# KiCad board Galatea Keyboard PCB.kicad_pcb (continued)
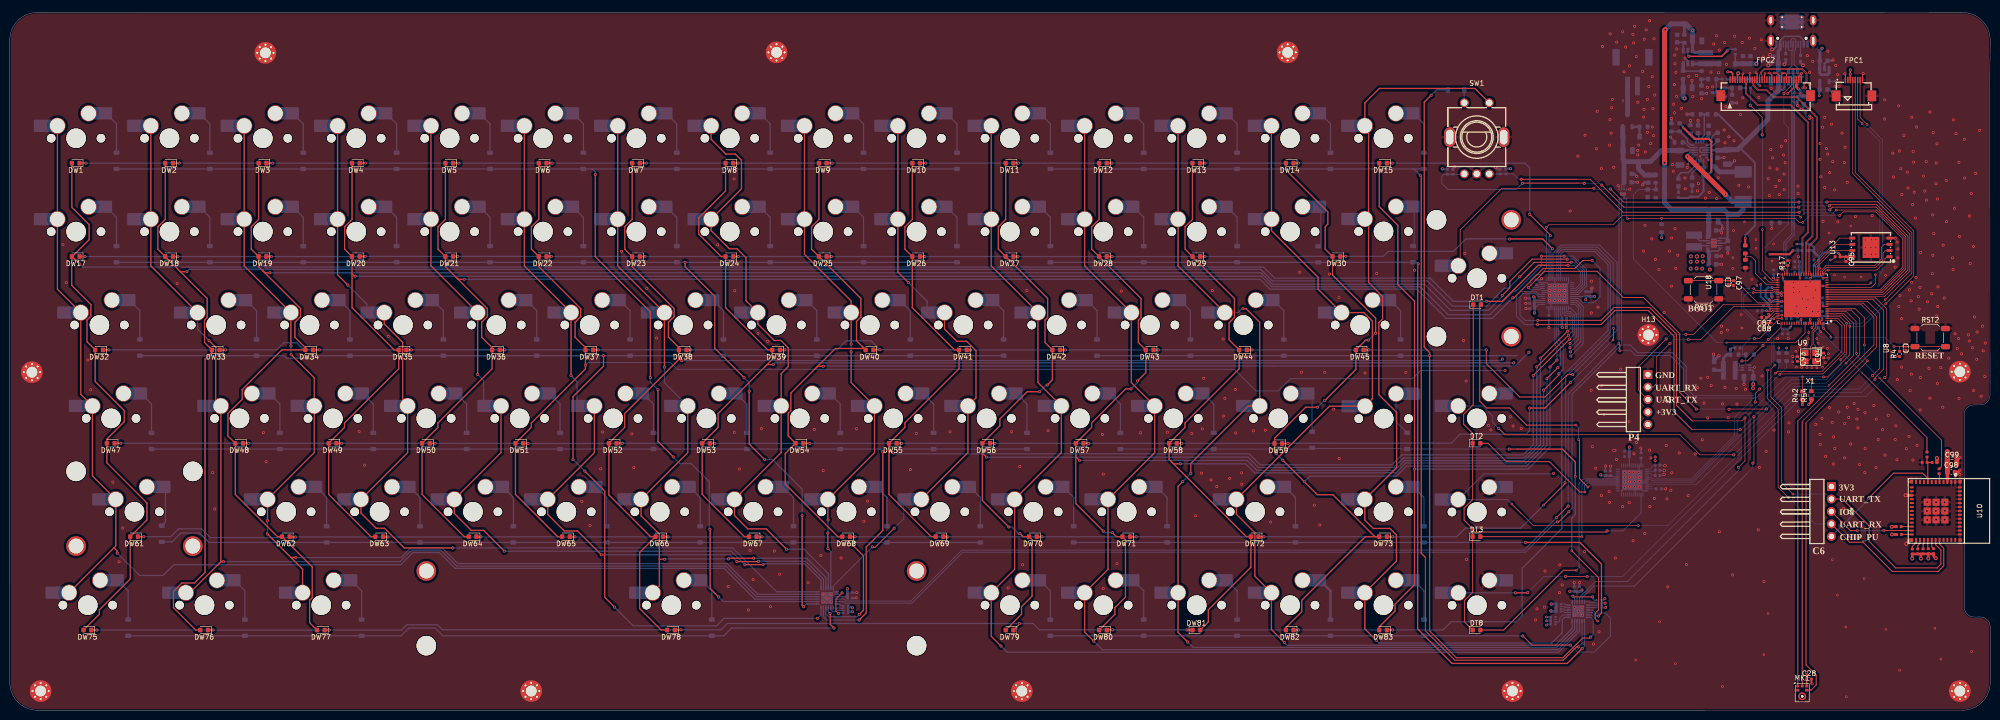
[diagram p0: board, top side]
## Placement (name value [footprint] x y rotation side) (continued)
R10  10k  [R_0402_1005Metric]  305.18 109.91 270 bottom
R11  100K  [R_0402_1005Metric]  336.4 45.15 0 bottom
R12  47K  [R_0402_1005Metric]  332.76 51.97 90 bottom
R13  499k  [R_0603_1608Metric]  351.82 72.54 0 bottom
R14  499k  [R_0603_1608Metric]  354.95 72.56 0 bottom
R15  10kΩ  [R_0402]  372.86 92.51 0 top
R16  4.02k  [R_0402_1005Metric]  366.43 87.73 270 bottom
R17  4.02k  [R_0402_1005Metric]  362.71 91.23 90 top
R18  51kΩ  [R_0402]  385.38 35.85 180 top
R19  51kΩ  [R_0402]  388.09 32.37 270 top
R20  51kΩ  [R_0402]  389.21 32.39 270 top
R21  51kΩ  [R_0402]  390.3 32.42 270 top
R22  51kΩ  [R_0402]  391.37 32.44 270 top
R23  51kΩ  [R_0402]  392.46 32.44 270 top
R24  100kΩ  [R_0603]  341.61 136.97 270 bottom
R25  0Ω  [R_0402]  351.99 134.33 90 bottom
R26  3.3kΩ  [R_0603]  341.33 129.58 90 bottom
R27  5.1Ω  [R_0805]  342.27 126.99 0 bottom
R28  10kΩ  [R_0603]  352.36 128.69 180 bottom
R29  0Ω  [R_0402]  349.84 128.71 180 bottom
R30  10kΩ  [R_0603]  347.29 128.74 180 bottom
R31  30kΩ  [R_0603]  345.09 129.56 270 bottom
R32  1kΩ  [R_0603]  352.12 126.94 180 bottom
R33  47kΩ  [R_0603]  351.34 124.73 270 bottom
R34  0Ω  [R_0402]  354.62 126.94 180 bottom
R35  10k  [R_0603_1608Metric]  338.99 118.87 90 bottom
R36  10k  [R_0603_1608Metric]  340.64 118.92 270 bottom
R37  2k  [R_0402_1005Metric]  343.18 105.26 90 bottom
R38  10k  [R_0603_1608Metric]  344.09 121.59 180 bottom
R39  10k  [R_0603_1608Metric]  336.95 98.33 90 bottom
R40  10k  [R_0603_1608Metric]  360.88 72.05 270 bottom
R41  10k  [R_0603_1608Metric]  362.45 72.05 270 bottom
R42  10k  [R_0603_1608Metric]  365.69 64.21 90 top
R43  47kΩ  [R_0603]  354.03 93.99 270 top
R44  68kΩ  [R_0603]  354.05 91.07 270 top
R45  100kΩ  [R_0603]  333.28 119.02 0 bottom
R46  200kΩ  [R_0603]  335.74 108.41 270 bottom
R47  100kΩ  [R_0603]  335.77 105.41 270 bottom
R48  20k  [R_0603_1608Metric]  347.19 121.57 180 bottom
R49  100k  [R_0603_1608Metric]  345.52 109.86 90 bottom
R50  0Ω  [R_0402]  393.58 48.74 270 top
R51  0Ω  [R_0402]  391.09 52.15 270 top
R52  10kΩ  [R_0402]  385.32 37.45 180 top
R53  10kΩ  [R_0402]  392.64 50.54 0 top
R54  10k  [R_0603_1608Metric]  367.52 64.26 90 top
R55  10kΩ  [R_0603]  360.22 99.43 0 bottom
R56  0Ω  [R_0402]  366.1 93.8 0 bottom
R57  0Ω  [R_0402]  366.17 95.09 0 bottom  (not fitted)
RD1  D  [D_SOD-123]  295.03 126.54 180 bottom
RN1  10K  [R_Array_Convex_4x0402]  170.56 20.56 180 bottom
RN2  10K  [R_Array_Convex_4x0402]  314.81 18.26 0 bottom
RN5  10K  [R_Array_Convex_4x0402]  324.23 21.68 180 bottom
RN6  10K  [R_Array_Convex_4x0402]  315.93 20.9 0 bottom
RST1  SW  [SW_SPST_SKQG_WithStem]  345.51 85.78 180 top
RST2  SW  [SW_SPST_SKQG_WithStem]  391.75 76.01 0 top
S1  MX_stab  [STAB_MX_P_2u]  299.3 88.13 90 bottom  (not fitted)
S3  MX_stab  [STAB_MX_P_2.25u]  25.43 40.47 0 bottom  (not fitted)
S4  MX_stab  [STAB_MX_P_6.25u]  134.98 21.42 180 bottom  (not fitted)
SW1  EC11E18244AU  [SW-TH_EC11XXXXXXXX]  299.26 116.66 0 top
SW_1  MX_SW_HS  [SW_MX_HS_CPG151101S11_1u]  299.27 59.53 180 bottom
SW_2  MX_SW_HS  [SW_MX_HS_CPG151101S11_1u]  299.27 40.43 180 bottom
SW_3  MX_SW_HS  [SW_MX_HS_CPG151101S11_1u]  299.3 21.41 180 bottom
U1  TCA8418RTWR  [WQFN-24-1EP_4x4mm_P0.5mm_EP2.45x2.45mm]  166.73 22.91 90 bottom
U2  TCA8418RTWR  [WQFN-24-1EP_4x4mm_P0.5mm_EP2.45x2.45mm]  319.96 20.19 180 bottom
U3  IS31FL3733B-QFLS4-TR  [QFN-48-1EP_6x6mm_P0.4mm_EP4.2x4.2mm]  315.78 85 270 bottom
U4  AP3032KTR-G1  [SOT-23-6_L2.9-W1.6-P0.95-LS2.8-BR]  342.32 133.24 270 bottom
U5  MP2617AGL-Z  [QFN-20_L4.0-W3.0-P0.50_MP2625BGL]  344.76 114.03 180 bottom
U6  USBLC6-2SC6  [SOT-23-6]  363.77 129.21 270 bottom
U7  IS31FL3733B-QFLS4-TR  [QFN-48-1EP_6x6mm_P0.4mm_EP4.2x4.2mm]  330.96 46.95 90 bottom
U8  ESD5451N_C2936977  [X1-DFN1006-2_L1.0-W0.6-P0.65-BI]  386.76 73.85 90 top
U9  ESP32-P4NRW32_C22387510  [QFN-104_L10.0-W10.0-P0.35-TL-EP7.5]  365.69 83.92 180 top
U10  ESP32-C6-MINI-1-H8  [WIFIM-SMD_61P-L16.6-W13.2-P0.80-ESP32-C6-MINI-1-N4]  392.89 40.65 270 top
U11  TLV62569ADRL  [SOT-563]  354.21 69.89 180 bottom
U12  XAL4020-222MEB  [IND-SMD_L4.0-W4.0-A]  350.76 69.32 180 bottom
U13  GD25Q256EYIGR  [WSON-8_L8.0-W6.0-P1.27-BL-EP-1]  379.66 94.41 90 top
U14  RT9193-18GB  [SOT-23-5_L3.0-W1.7-P0.95-LS2.8-BR]  370.17 129.56 90 bottom
U15  TPS63031DSK  [WSON-10-1EP_2.5x2.5mm_P0.5mm_EP1.2x2mm]  347.61 95.28 0 bottom
U16  LPS3015-152MRC  [IND-SMD_L3.0-W3.0_LPS3015-222ML]  343.59 95.73 90 bottom
U17  MAX17048G+T10  [TDFN-8_L2.0-W2.0-P0.50-BL-EP1.2]  329.04 105.31 0 bottom
U18  ESD5451N_C2936977  [X1-DFN1006-2_L1.0-W0.6-P0.65-BI]  350.56 87.31 90 top
X1  XXDBBCNANF-40.000000MHZ  [CRYSTAL-SMD_4P-L3.2-W2.5-BL]  367.31 72.02 180 top

## Library data of the parts
B1 B2 = -: Datasheet: https://www.lcsc.com/datasheet/C52994083.pdf; LCSC Part: C52994083; Manufacturer: ElecSuper(静芯); MPN: PESD5V5C1BLYL(ES)
C1 C3 C34 C47 C91 = -: Description: Unpolarized capacitor, small symbol; KiLib_Generator: SMD_2terminal_chip_molded; JLCPCB Part #: C52923; ki_fp_filters: C_*
C2 C4 C6 C8 C10 C19 C20 C22 C24 C26 C28 C40 C45 C46 C49-C52 C54-C57 C59-C62 C86-C90 C92 C95-C97 = -: Description: Unpolarized capacitor, small symbol; KiLib_Generator: SMD_2terminal_chip_molded; JLCPCB Part #: C307331; ki_fp_filters: C_*
C5 C7 C9 C11 C21 C23 C25 C27 = -: Description: Unpolarized capacitor, small symbol; KiLib_Generator: SMD_2terminal_chip_molded; JLCPCB Part #: C47339; ki_fp_filters: C_*
C12 C64 C65 C67 C68 = -: Datasheet: https://www.lcsc.com/datasheet/lcsc_datasheet_2304140030_Samsung-Electro-Mechanics-CL10A105KB8NNNC_C15849.pdf; Description: 50V 1uF X5R ±10% 0603 Multilayer Ceramic Capacitors MLCC - SMD/SMT ROHS; LCSC: C15849; Stock: 11535980; Price: 0.008USD; Process: SMT; Minimum Qty: 20; Attrition Qty: 10; Class: Basic Component; Category: Capacitors,Multilayer Ceramic Capacitors MLCC - SMD/SMT; Manufacturer: Samsung Electro-Mechanics; Part: CL10A105KB8NNNC; Voltage Rated: 50V; Tolerance: ±10%; Temperature Coefficient: X5R; ki_fp_filters: C_*
C13 C81 = -: Datasheet: https://www.lcsc.com/datasheet/lcsc_datasheet_2304140030_Samsung-Electro-Mechanics-CL21A106KAYNNNE_C15850.pdf; Description: 25V 10uF X5R ±10% 0805 Multilayer Ceramic Capacitors MLCC - SMD/SMT ROHS; LCSC: C15850; Stock: 6525809; Price: 0.014USD; Process: SMT; Minimum Qty: 20; Attrition Qty: 10; Class: Basic Component; Category: Capacitors,Multilayer Ceramic Capacitors MLCC - SMD/SMT; Manufacturer: Samsung Electro-Mechanics; Part: CL21A106KAYNNNE; Voltage Rated: 25V; Tolerance: ±10%; Temperature Coefficient: X5R; ki_fp_filters: C_*
C14 = -: Datasheet: https://www.lcsc.com/datasheet/lcsc_datasheet_2304140030_FH--Guangdong-Fenghua-Advanced-Tech-0402CG220J500NT_C1555.pdf; Description: 50V 22pF C0G ±5% 0402 Multilayer Ceramic Capacitors MLCC - SMD/SMT ROHS; LCSC: C1555; Stock: 2333179; Price: 0.004USD; Process: SMT; Minimum Qty: 20; Attrition Qty: 10; Class: Basic Component; Category: Capacitors,Multilayer Ceramic Capacitors MLCC - SMD/SMT; Manufacturer: FH(Guangdong Fenghua Advanced Tech); Part: 0402CG220J500NT; Voltage Rated: 50V; Tolerance: ±5%; Temperature Coefficient: C0G; ki_fp_filters: C_*
C15 = -: Datasheet: https://www.lcsc.com/datasheet/lcsc_datasheet_2304140030_Samsung-Electro-Mechanics-CL10A226MQ8NRNC_C59461.pdf; Description: 6.3V 22uF X5R ±20% 0603 Multilayer Ceramic Capacitors MLCC - SMD/SMT ROHS; LCSC: C59461; Stock: 5081183; Price: 0.012USD; Process: SMT; Minimum Qty: 20; Attrition Qty: 10; Class: Basic Component; Category: Capacitors,Multilayer Ceramic Capacitors MLCC - SMD/SMT; Manufacturer: Samsung Electro-Mechanics; Part: CL10A226MQ8NRNC; Voltage Rated: 6.3V; Tolerance: ±20%; Temperature Coefficient: X5R; ki_fp_filters: C_*
C16 = -: Description: Unpolarized capacitor, small symbol; KiLib_Generator: SMD_2terminal_chip_molded; JLCPCB Part #: C19702; LCSC: C14663; ki_fp_filters: C_*
C17 = -: Description: Unpolarized capacitor, small symbol; KiLib_Generator: SMD_2terminal_chip_molded; LCSC: C77091; Voltage Rated: 25V; ki_fp_filters: C_*
C18 C85 = -: Description: Unpolarized capacitor, small symbol; KiLib_Generator: SMD_2terminal_chip_molded; LCSC: C15849; ki_fp_filters: C_*
C29 = -: Datasheet: https://www.lcsc.com/datasheet/lcsc_datasheet_2304140030_Samsung-Electro-Mechanics-CL21A226MAQNNNE_C45783.pdf; Description: 25V 22uF X5R ±20% 0805 Multilayer Ceramic Capacitors MLCC - SMD/SMT ROHS; LCSC: C45783; Stock: 6479946; Price: 0.027USD; Process: SMT; Minimum Qty: 20; Attrition Qty: 8; Class: Basic Component; Category: Capacitors,Multilayer Ceramic Capacitors MLCC - SMD/SMT; Manufacturer: Samsung Electro-Mechanics; Part: CL21A226MAQNNNE; Voltage Rated: 25V; Tolerance: ±20%; Temperature Coefficient: X5R; ki_fp_filters: C_*
C35 C36 C44 C53 C58 C100 = -: Description: Unpolarized capacitor, small symbol; KiLib_Generator: SMD_2terminal_chip_molded; LCSC: C6119763; ki_fp_filters: C_*
C39 C48 = -: Description: Unpolarized capacitor, small symbol; KiLib_Generator: SMD_2terminal_chip_molded; LCSC: C15195; ki_fp_filters: C_*
C41 = -: Description: Unpolarized capacitor, small symbol; KiLib_Generator: SMD_2terminal_chip_molded; LCSC: C1779; ki_fp_filters: C_*
C63 C79 C80 C82 C83 = -: Datasheet: https://www.lcsc.com/datasheet/lcsc_datasheet_2211101700_YAGEO-CC0603KRX7R9BB104_C14663.pdf; Description: 50V 100nF X7R ±10% 0603 Multilayer Ceramic Capacitors MLCC - SMD/SMT ROHS; LCSC: C14663; Stock: 70324515; Price: 0.006USD; Process: SMT; Minimum Qty: 20; Attrition Qty: 10; Class: Basic Component; Category: Capacitors,Multilayer Ceramic Capacitors MLCC - SMD/SMT; Manufacturer: YAGEO; Part: CC0603KRX7R9BB104; Voltage Rated: 50V; Tolerance: ±10%; Temperature Coefficient: X7R; ki_fp_filters: C_*
C66 = -: Datasheet: https://www.lcsc.com/datasheet/lcsc_datasheet_2304140030_FH--Guangdong-Fenghua-Advanced-Tech-0402B223K500NT_C1532.pdf; Description: 50V 22nF X7R ±10% 0402 Multilayer Ceramic Capacitors MLCC - SMD/SMT ROHS; LCSC: C1532; Stock: 567776; Price: 0.005USD; Process: SMT; Minimum Qty: 20; Attrition Qty: 10; Class: Basic Component; Category: Capacitors,Multilayer Ceramic Capacitors MLCC - SMD/SMT; Manufacturer: FH(Guangdong Fenghua Advanced Tech); Part: 0402B223K500NT; Voltage Rated: 50V; Tolerance: ±10%; Temperature Coefficient: X7R; ki_fp_filters: C_*
C69 = -: Datasheet: https://www.lcsc.com/datasheet/lcsc_datasheet_2304140030_Samsung-Electro-Mechanics-CL10A106KP8NNNC_C19702.pdf; Description: 10V 10uF X5R ±10% 0603 Multilayer Ceramic Capacitors MLCC - SMD/SMT ROHS; LCSC: C19702; Stock: 9881407; Price: 0.009USD; Process: SMT; Minimum Qty: 20; Attrition Qty: 10; Class: Basic Component; Category: Capacitors,Multilayer Ceramic Capacitors MLCC - SMD/SMT; Manufacturer: Samsung Electro-Mechanics; Part: CL10A106KP8NNNC; Voltage Rated: 10V; Tolerance: ±10%; Temperature Coefficient: X5R; ki_fp_filters: C_*
C70 = -: Datasheet: https://www.lcsc.com/datasheet/lcsc_datasheet_2304140030_Samsung-Electro-Mechanics-CL05B104KO5NNNC_C1525.pdf; Description: 16V 100nF X7R ±10% 0402 Multilayer Ceramic Capacitors MLCC - SMD/SMT ROHS; LCSC: C1525; Stock: 20208285; Price: 0.004USD; Process: SMT; Minimum Qty: 20; Attrition Qty: 10; Class: Basic Component; Category: Capacitors,Multilayer Ceramic Capacitors MLCC - SMD/SMT; Manufacturer: Samsung Electro-Mechanics; Part: CL05B104KO5NNNC; Voltage Rated: 16V; Tolerance: ±10%; Temperature Coefficient: X7R; ki_fp_filters: C_*
C71-C73 = -: Description: Unpolarized capacitor, small symbol; KiLib_Generator: SMD_2terminal_chip_molded; LCSC: C344022; ki_fp_filters: C_*
C74 = -: Description: Unpolarized capacitor, small symbol; KiLib_Generator: SMD_2terminal_chip_molded; LCSC: C89632; ki_fp_filters: C_*
C75 = -: Description: Unpolarized capacitor, small symbol; KiLib_Generator: SMD_2terminal_chip_molded; LCSC: C3833176; ki_fp_filters: C_*
C76 C77 = -: Description: Unpolarized capacitor, small symbol; KiLib_Generator: SMD_2terminal_chip_molded; MFR.Part #: CC0603KRX7R9BB104; LCSC: C14663; ki_fp_filters: C_*
C78 = -: Datasheet: https://www.lcsc.com/datasheet/lcsc_datasheet_2304140030_Samsung-Electro-Mechanics-CL05A105KA5NQNC_C52923.pdf; Description: 25V 1uF X5R ±10% 0402 Multilayer Ceramic Capacitors MLCC - SMD/SMT ROHS; LCSC: C52923; Stock: 7021828; Price: 0.006USD; Process: SMT; Minimum Qty: 20; Attrition Qty: 10; Class: Basic Component; Category: Capacitors,Multilayer Ceramic Capacitors MLCC - SMD/SMT; Manufacturer: Samsung Electro-Mechanics; Part: CL05A105KA5NQNC; Voltage Rated: 25V; Tolerance: ±10%; Temperature Coefficient: X5R; ki_fp_filters: C_*
C84 C98 = -: Description: Unpolarized capacitor, small symbol; KiLib_Generator: SMD_2terminal_chip_molded; LCSC: C14663; ki_fp_filters: C_*
C93 C94 = -: Description: Unpolarized capacitor, small symbol; KiLib_Generator: SMD_2terminal_chip_molded; LCSC: C1549; ki_fp_filters: C_*
C99 = -: Description: Unpolarized capacitor, small symbol; KiLib_Generator: SMD_2terminal_chip_molded; LCSC: C440198; ki_fp_filters: C_*
CN1 = -: Datasheet: https://lcsc.com/product-detail/_JST-Sales-America_S2B-PH-SM4-TB-LF-SN_JST-Sales-America-S2B-PH-SM4-TB-LF-SN_C295747.html; LCSC Part: C295747; Manufacturer: JST; MPN: S2B-PH-SM4-TB(LF)(SN)
D1-D30 D32-D58 D61-D73 D75-D83 D85 RD1 = -: Description: Diode; Sim.Pins: 1=K 2=A; MFR.Part #: SOD1F7; JLCPCB part#: C33221; JLCPCB Part #: C33221; ki_fp_filters: TO-???* *_Diode_* *SingleDiode* D_*
D31 = -: Datasheet: https://www.lcsc.com/datasheet/lcsc_datasheet_2407291648_MDD-Microdiode-Semiconductor-B5819W_C64885.pdf; Description: 40V Independent Type 900mV@3A 1A SOD-123 Schottky Diodes ROHS; LCSC: C64885; Stock: 386565; Price: 0.019USD; Process: SMT; Minimum Qty: 15; Attrition Qty: 10; Class: Preferred Component; Category: Diodes,Schottky Barrier Diodes (SBD); Manufacturer: MDD（Microdiode Electronics）; Rectified Current: 1A; Forward Voltage (Vf@If): 900mV@3A; Reverse Voltage (Vr): 40V; Diode Configuration: Independent Type; Reverse Leakage Current (Ir): 1mA@40V; ki_fp_filters: D_*
D59 = -: Description: Light emitting diode; KiLib_Generator: SMD_2terminal_chip_molded; Sim.Pins: 1=K 2=A; LCSC: C2290; ki_fp_filters: LED* LED_SMD:* LED_THT:*
D60 = -: Description: Light emitting diode; KiLib_Generator: SMD_2terminal_chip_molded; Sim.Pins: 1=K 2=A; LCSC: C2286; ki_fp_filters: LED* LED_SMD:* LED_THT:*
D74 = -: Datasheet: https://lcsc.com/product-detail/Zener-Diodes_DIODES_MMSZ5231B-7-F_MMSZ5231B-7-F_C85181.html; LCSC Part: C85181; Manufacturer: DIODES(美台)
DT1-DT3 DT8 DW1-DW15 DW17-DW30 DW32-DW45 DW47-DW59 DW61-DW73 DW75-DW83 = -: Description: Light emitting diode; KiLib_Generator: SMD_2terminal_chip_molded; Sim.Pins: 1=K 2=A; LCSC: C2290; JLCPCB Part #: C2290; ki_fp_filters: LED* LED_SMD:* LED_THT:*
FPC1 = -: Datasheet: https://lcsc.com/product-detail/presales_HRS-Hirose-HRS-FH12-8S-0-5SH-55_C597995.html; LCSC Part: C597995; Manufacturer: HRS(广濑); MPN: FH12-8S-0.5SH(55)
FPC2 = -: Datasheet: https://lcsc.com/product-detail/FFC-FPC-Connectors_HRS-Hirose-HRS-FH12-30S-0-5SH-55_C506793.html; LCSC Part: C506793; Manufacturer: HRS(广濑); MPN: FH12-30S-0.5SH(55)
H2 H3 H5-H13 = -: Description: Mounting Hole with connection; KiLib_Generator: mounting_hardware/mounting_hole; JLCPCB Part #: DNP; ki_fp_filters: MountingHole*Pad*
J1 = -: Datasheet: https://atta.szlcsc.com/upload/public/pdf/source/20220920/0EF8F885FCCEA71F60E9E85152155021.pdf; Description: 3A 1 Horizontal attachment 16P Female -25℃~+85℃ Type-C SMD USB Connectors ROHS; LCSC: C2927039
J3 J4 = -: Datasheet: https://lcsc.com/product-detail/Pin-Header-Female-Header_XKB-Connectivity-X6511WR-05H-C30D60-R2_C706868.html; LCSC Part: C706868; Manufacturer: XKB Connection(中国星坤); MPN: X6511WR-05H-C60D30R2
L1 = -: Datasheet: https://lcsc.com/product-detail/Power-Inductors_10uH-20_C45403.html; Description: 10uH ±20%; LCSC Part: C45403; Manufacturer: Sunlord(顺络)
L2 = -: Datasheet: https://lcsc.com/product-detail/Ferrite-Beads-And-Chips_muRata_BLM18SG121TN1D_120R-25-at100MHz_C113030.html; LCSC Part: C113030; Manufacturer: muRata(村田)
L3 = -: Datasheet: https://lcsc.com/product-detail/Power-Inductors_2-2uH-20_C128686.html; LCSC Part: C128686; Manufacturer: SXN(顺翔诺)
MK1 = -: Datasheet: https://www.invensense.com/wp-content/uploads/2016/02/DS-000069-ICS-43434-v1.2.pdf; Description: TDK InvenSense MEMS Microphone, 24-bit I2S, 65 dBA SNR, LGA-6; JLCPCB Part #: C5656610; ki_fp_filters: InvenSense*ICS*43434*
MX1-MX58 MX61-MX73 MX75-MX83 MX85 SW_1-SW_3 = -: Description: Push button switch, normally open, two pins, 45° tilted, Kailh CPG151101S11 for Cherry MX style switches; MFR.Part #: CPG151101S11-16; JLCPCB part#: C41430893; JLCPCB Part #: C41430893
Q1 = -: Datasheet: https://wmsc.lcsc.com/wmsc/upload/file/pdf/v2/lcsc/2312221203_hongjiacheng-MMBT3904_C7420353.pdf; Description: 40V 200mW 100@10mA,1.0V 200mA NPN SOT-23 Bipolar (BJT) ROHS; LCSC: C7420353; Stock: 856306; Price: 0.013USD; Process: SMT; Minimum Qty: 10; Attrition Qty: 5; Class: Preferred Component; Category: Triode/MOS Tube/Transistor,Bipolar Transistors - BJT; Manufacturer: hongjiacheng; Transition Frequency (fT): 300MHz; Operating Temperature: -55°C~+150°C; Collector Cut-Off Current (Icbo): 0.1uA; Transistor Type: NPN; DC Current Gain (hFE@Ic,Vce): 100@10mA,1.0V; Power Dissipation (Pd): null; Collector Current (Ic): null; Collector-Emitter Saturation Voltage (VCE(sat)@Ic,Ib): 0.3V@50mA,5.0mA; Collector-Emitter Breakdown Voltage (Vceo): null; ki_fp_filters: Q_*
Q2 = -: Datasheet: https://lcsc.com/product-detail/New-Arrivals_TOSHIBA-SSM3J328R-LF-A_C396016.html; LCSC Part: C396016; Manufacturer: TOSHIBA(东芝)
R1 R11 = -: Description: Resistor, small symbol; KiLib_Generator: SMD_2terminal_chip_molded; JLCPCB Part #: C25741; ki_fp_filters: R_*
R2 R12 = -: Description: Resistor, small symbol; KiLib_Generator: SMD_2terminal_chip_molded; JLCPCB Part #: C25792; ki_fp_filters: R_*
R3 R37 = -: Description: Resistor, small symbol; KiLib_Generator: SMD_2terminal_chip_molded; LCSC: C4109; ki_fp_filters: R_*
R4 R9 R10 = -: Description: Resistor, small symbol; KiLib_Generator: SMD_2terminal_chip_molded; JLCPCB Part #: C173683; ki_fp_filters: R_*
R5 R6 = -: KiLib_Generator: SMD_2terminal_chip_molded; JLCPCB part#: C25905; Comment: 62.5mW Thick Film Resistors ±100ppm/℃ ±1% 5.1kΩ 0402 Chip Resistor - Surface Mount ROHS; MFR.Part #: 0402WGF5101TCE; JLCPCB Part #: C25905; ki_fp_filters: R_*
R7 = -: Description: Resistor, small symbol; KiLib_Generator: SMD_2terminal_chip_molded; LCSC: C177342; ki_fp_filters: R_*
R8 = -: Description: Resistor, small symbol; KiLib_Generator: SMD_2terminal_chip_molded; LCSC: C22832; ki_fp_filters: R_*
R13 R14 = -: Description: Resistor, small symbol; KiLib_Generator: SMD_2terminal_chip_molded; LCSC Part: C131054; ki_fp_filters: R_*
R15 R52 R53 = -: Datasheet: https://www.lcsc.com/datasheet/lcsc_datasheet_2411221126_UNI-ROYAL-Uniroyal-Elec-0402WGF1002TCE_C25744.pdf; Description: 62.5mW Thick Film Resistors 50V ±100ppm/°C ±1% 10kΩ 0402 Chip Resistor - Surface Mount ROHS; LCSC: C25744; Stock: 24372091; Price: 0.004USD; Process: SMT; Minimum Qty: 20; Attrition Qty: 10; Class: Basic Component; Category: Resistors,Chip Resistor - Surface Mount; Manufacturer: UNI-ROYAL(Uniroyal Elec); Part: 0402WGF1002TCE; Power(Watts): 62.5mW; Type: Thick Film Resistors; Overload Voltage (Max): 50V; Operating Temperature Range: -55°C~+155°C; Tolerance: ±1%; Temperature Coefficient: ±100ppm/°C; ki_fp_filters: R_*
R16 R17 = -: Description: Resistor, small symbol; KiLib_Generator: SMD_2terminal_chip_molded; LCSC: C43251; ki_fp_filters: R_*
R18-R23 = -: Datasheet: https://www.lcsc.com/datasheet/lcsc_datasheet_2411221126_UNI-ROYAL-Uniroyal-Elec-0402WGF5102TCE_C25794.pdf; Description: 62.5mW Thick Film Resistors 50V ±100ppm/°C ±1% 51kΩ 0402 Chip Resistor - Surface Mount ROHS; LCSC: C25794; Stock: 1929509; Price: 0.004USD; Process: SMT; Minimum Qty: 20; Attrition Qty: 10; Class: Basic Component; Category: Resistors,Chip Resistor - Surface Mount; Manufacturer: UNI-ROYAL(Uniroyal Elec); Part: 0402WGF5102TCE; Power(Watts): 62.5mW; Type: Thick Film Resistors; Overload Voltage (Max): 50V; Operating Temperature Range: -55°C~+155°C; Tolerance: ±1%; Temperature Coefficient: ±100ppm/°C; ki_fp_filters: R_*
R24 R45 R47 = -: Datasheet: https://www.lcsc.com/datasheet/lcsc_datasheet_2206010045_UNI-ROYAL-Uniroyal-Elec-0603WAF1003T5E_C25803.pdf; Description: 100mW Thick Film Resistors 75V ±100ppm/°C ±1% 100kΩ 0603 Chip Resistor - Surface Mount ROHS; LCSC: C25803; Stock: 7820113; Price: 0.004USD; Process: SMT; Minimum Qty: 20; Attrition Qty: 10; Class: Basic Component; Category: Resistors,Chip Resistor - Surface Mount; Manufacturer: UNI-ROYAL(Uniroyal Elec); Part: 0603WAF1003T5E; Power(Watts): 100mW; Type: Thick Film Resistors; Overload Voltage (Max): 75V; Operating Temperature Range: -55°C~+155°C; Tolerance: ±1%; Temperature Coefficient: ±100ppm/°C; ki_fp_filters: R_*
R25 R29 R34 R50 R51 R56 R57 = -: Datasheet: https://www.lcsc.com/datasheet/lcsc_datasheet_2206010216_UNI-ROYAL-Uniroyal-Elec-0402WGF0000TCE_C17168.pdf; Description: 62.5mW Thick Film Resistors 50V ±800ppm/°C ±1% 0Ω 0402 Chip Resistor - Surface Mount ROHS; LCSC: C17168; Stock: 9510686; Price: 0.004USD; Process: SMT; Minimum Qty: 20; Attrition Qty: 10; Class: Basic Component; Category: Resistors,Chip Resistor - Surface Mount; Manufacturer: UNI-ROYAL(Uniroyal Elec); Part: 0402WGF0000TCE; Power(Watts): 62.5mW; Type: Thick Film Resistors; Overload Voltage (Max): 50V; Operating Temperature Range: -55°C~+155°C; Tolerance: ±1%; Temperature Coefficient: ±800ppm/°C; ki_fp_filters: R_*
R26 = -: Datasheet: https://www.lcsc.com/datasheet/lcsc_datasheet_2206010116_UNI-ROYAL-Uniroyal-Elec-0603WAF3301T5E_C22978.pdf; Description: 100mW Thick Film Resistors 75V ±100ppm/°C ±1% 3.3kΩ 0603 Chip Resistor - Surface Mount ROHS; LCSC: C22978; Stock: 2152628; Price: 0.004USD; Process: SMT; Minimum Qty: 20; Attrition Qty: 10; Class: Basic Component; Category: Resistors,Chip Resistor - Surface Mount; Manufacturer: UNI-ROYAL(Uniroyal Elec); Part: 0603WAF3301T5E; Power(Watts): 100mW; Type: Thick Film Resistors; Overload Voltage (Max): 75V; Operating Temperature Range: -55°C~+155°C; Tolerance: ±1%; Temperature Coefficient: ±100ppm/°C; ki_fp_filters: R_*
R27 = -: Datasheet: https://www.lcsc.com/datasheet/lcsc_datasheet_2206010200_UNI-ROYAL-Uniroyal-Elec-0805W8F510KT5E_C17724.pdf; Description: 125mW Thick Film Resistors 150V ±1% ±400ppm/°C 5.1Ω 0805 Chip Resistor - Surface Mount ROHS; LCSC: C17724; Stock: 209883; Price: 0.006USD; Process: SMT; Minimum Qty: 20; Attrition Qty: 10; Class: Basic Component; Category: Resistors,Chip Resistor - Surface Mount; Manufacturer: UNI-ROYAL(Uniroyal Elec); Part: 0805W8F510KT5E; Power(Watts): 125mW; Type: Thick Film Resistors; Overload Voltage (Max): 150V; Operating Temperature Range: -55°C~+155°C; Tolerance: ±1%; Temperature Coefficient: ±400ppm/°C; ki_fp_filters: R_*
R28 R30 R55 = -: Datasheet: https://www.lcsc.com/datasheet/lcsc_datasheet_2206010045_UNI-ROYAL-Uniroyal-Elec-0603WAF1002T5E_C25804.pdf; Description: 100mW Thick Film Resistors 75V ±100ppm/°C ±1% 10kΩ 0603 Chip Resistor - Surface Mount ROHS; LCSC: C25804; Stock: 51181774; Price: 0.004USD; Process: SMT; Minimum Qty: 20; Attrition Qty: 10; Class: Basic Component; Category: Resistors,Chip Resistor - Surface Mount; Manufacturer: UNI-ROYAL(Uniroyal Elec); Part: 0603WAF1002T5E; Power(Watts): 100mW; Type: Thick Film Resistors; Overload Voltage (Max): 75V; Operating Temperature Range: -55°C~+155°C; Tolerance: ±1%; Temperature Coefficient: ±100ppm/°C; ki_fp_filters: R_*
R31 = -: Datasheet: https://www.lcsc.com/datasheet/lcsc_datasheet_2206010116_UNI-ROYAL-Uniroyal-Elec-0603WAF3002T5E_C22984.pdf; Description: 100mW Thick Film Resistors 75V ±100ppm/°C ±1% 30kΩ 0603 Chip Resistor - Surface Mount ROHS; LCSC: C22984; Stock: 753239; Price: 0.004USD; Process: SMT; Minimum Qty: 20; Attrition Qty: 10; Class: Basic Component; Category: Resistors,Chip Resistor - Surface Mount; Manufacturer: UNI-ROYAL(Uniroyal Elec); Part: 0603WAF3002T5E; Power(Watts): 100mW; Type: Thick Film Resistors; Overload Voltage (Max): 75V; Operating Temperature Range: -55°C~+155°C; Tolerance: ±1%; Temperature Coefficient: ±100ppm/°C; ki_fp_filters: R_*
R32 = -: Datasheet: https://www.lcsc.com/datasheet/lcsc_datasheet_2206010130_UNI-ROYAL-Uniroyal-Elec-0603WAF1001T5E_C21190.pdf; Description: 100mW Thick Film Resistors 75V ±100ppm/°C ±1% 1kΩ 0603 Chip Resistor - Surface Mount ROHS; LCSC: C21190; Stock: 27538425; Price: 0.004USD; Process: SMT; Minimum Qty: 20; Attrition Qty: 10; Class: Basic Component; Category: Resistors,Chip Resistor - Surface Mount; Manufacturer: UNI-ROYAL(Uniroyal Elec); Part: 0603WAF1001T5E; Power(Watts): 100mW; Type: Thick Film Resistors; Overload Voltage (Max): 75V; Operating Temperature Range: -55°C~+155°C; Tolerance: ±1%; Temperature Coefficient: ±100ppm/°C; ki_fp_filters: R_*
R33 R43 = -: Datasheet: https://www.lcsc.com/datasheet/lcsc_datasheet_2206010045_UNI-ROYAL-Uniroyal-Elec-0603WAF4702T5E_C25819.pdf; Description: 100mW Thick Film Resistors 75V ±100ppm/°C ±1% 47kΩ 0603 Chip Resistor - Surface Mount ROHS; LCSC: C25819; Stock: 2267414; Price: 0.004USD; Process: SMT; Minimum Qty: 20; Attrition Qty: 10; Class: Basic Component; Category: Resistors,Chip Resistor - Surface Mount; Manufacturer: UNI-ROYAL(Uniroyal Elec); Part: 0603WAF4702T5E; Power(Watts): 100mW; Type: Thick Film Resistors; Overload Voltage (Max): 75V; Operating Temperature Range: -55°C~+155°C; Tolerance: ±1%; Temperature Coefficient: ±100ppm/°C; ki_fp_filters: R_*
R35 R36 R38 = -: Description: Resistor, small symbol; KiLib_Generator: SMD_2terminal_chip_molded; LCSC: C49330116; ki_fp_filters: R_*
R39-R42 R54 = -: Description: Resistor, small symbol; KiLib_Generator: SMD_2terminal_chip_molded; MFR.Part #: RCT0310KFLF; LCSC: C49330116; ki_fp_filters: R_*
R44 = -: Datasheet: https://www.lcsc.com/datasheet/lcsc_datasheet_2206010100_UNI-ROYAL-Uniroyal-Elec-0603WAF6802T5E_C23231.pdf; Description: 100mW Thick Film Resistors 75V ±100ppm/°C ±1% 68kΩ 0603 Chip Resistor - Surface Mount ROHS; LCSC: C23231; Stock: 702877; Price: 0.004USD; Process: SMT; Minimum Qty: 20; Attrition Qty: 10; Class: Basic Component; Category: Resistors,Chip Resistor - Surface Mount; Manufacturer: UNI-ROYAL(Uniroyal Elec); Part: 0603WAF6802T5E; Power(Watts): 100mW; Type: Thick Film Resistors; Overload Voltage (Max): 75V; Operating Temperature Range: -55°C~+155°C; Tolerance: ±1%; Temperature Coefficient: ±100ppm/°C; ki_fp_filters: R_*
R46 = -: Datasheet: https://www.lcsc.com/datasheet/lcsc_datasheet_2206010045_UNI-ROYAL-Uniroyal-Elec-0603WAF2003T5E_C25811.pdf; Description: 100mW Thick Film Resistors 75V ±100ppm/°C ±1% 200kΩ 0603 Chip Resistor - Surface Mount ROHS; LCSC: C25811; Stock: 1426208; Price: 0.004USD; Process: SMT; Minimum Qty: 20; Attrition Qty: 10; Class: Basic Component; Category: Resistors,Chip Resistor - Surface Mount; Manufacturer: UNI-ROYAL(Uniroyal Elec); Part: 0603WAF2003T5E; Power(Watts): 100mW; Type: Thick Film Resistors; Overload Voltage (Max): 75V; Operating Temperature Range: -55°C~+155°C; Tolerance: ±1%; Temperature Coefficient: ±100ppm/°C; ki_fp_filters: R_*
R48 = -: Description: Resistor, small symbol; KiLib_Generator: SMD_2terminal_chip_molded; LCSC: C4184; ki_fp_filters: R_*
R49 = -: Description: Resistor, small symbol; KiLib_Generator: SMD_2terminal_chip_molded; LCSC: C25803; ki_fp_filters: R_*
RN1 RN2 RN5 RN6 = -: Description: 4 resistor network, parallel topology, split; JLCPCB Part #: C25725; ki_fp_filters: DIP* SOIC* R*Array*Concave* R*Array*Convex* MSOP*
RST1 RST2 = -: Description: Push button switch, generic, two pins; JLC: C5140332; JLCPCB part#: C5140332; MFR.Part #: TS5215A 250gf 025; JLCPCB Part #: C5140332
S1 S3 S4 = -: Description: Cherry MX-style stabilizer; JLCPCB part#: DNP; MFR.Part #: DNP; JLCPCB Part #: DNP
SW1 = -: Datasheet: https://lcsc.com/product-detail/Coded-Rotary-Switches_ALPS_EC11E18244AU_EC11E18244AU_C202365.html; Manufacturer: ALPSALPINE(阿尔卑斯阿尔派); MANUFACTURER: ALPSALPINE(阿尔卑斯阿尔派); JLCPCB Part #: C202365
U1 U2 = -: KiLib_Generator: package/no_lead; JLCPCB Part #: C138713
U3 U7 = -: KiLib_Generator: package/no_lead; JLCPCB Part #: C5362338
